# Altium PCB USBtoUART.PcbDoc
Units mm, origin at the board's own origin, x right, y up, seen from the top; angles counter-clockwise.
Board outline 131.06 x 50.89 mm, 2 copper layers (Top Layer, Bottom Layer), stack 1.6 mm thick; 43 components, 27 nets, 156 pads, 15 vias.
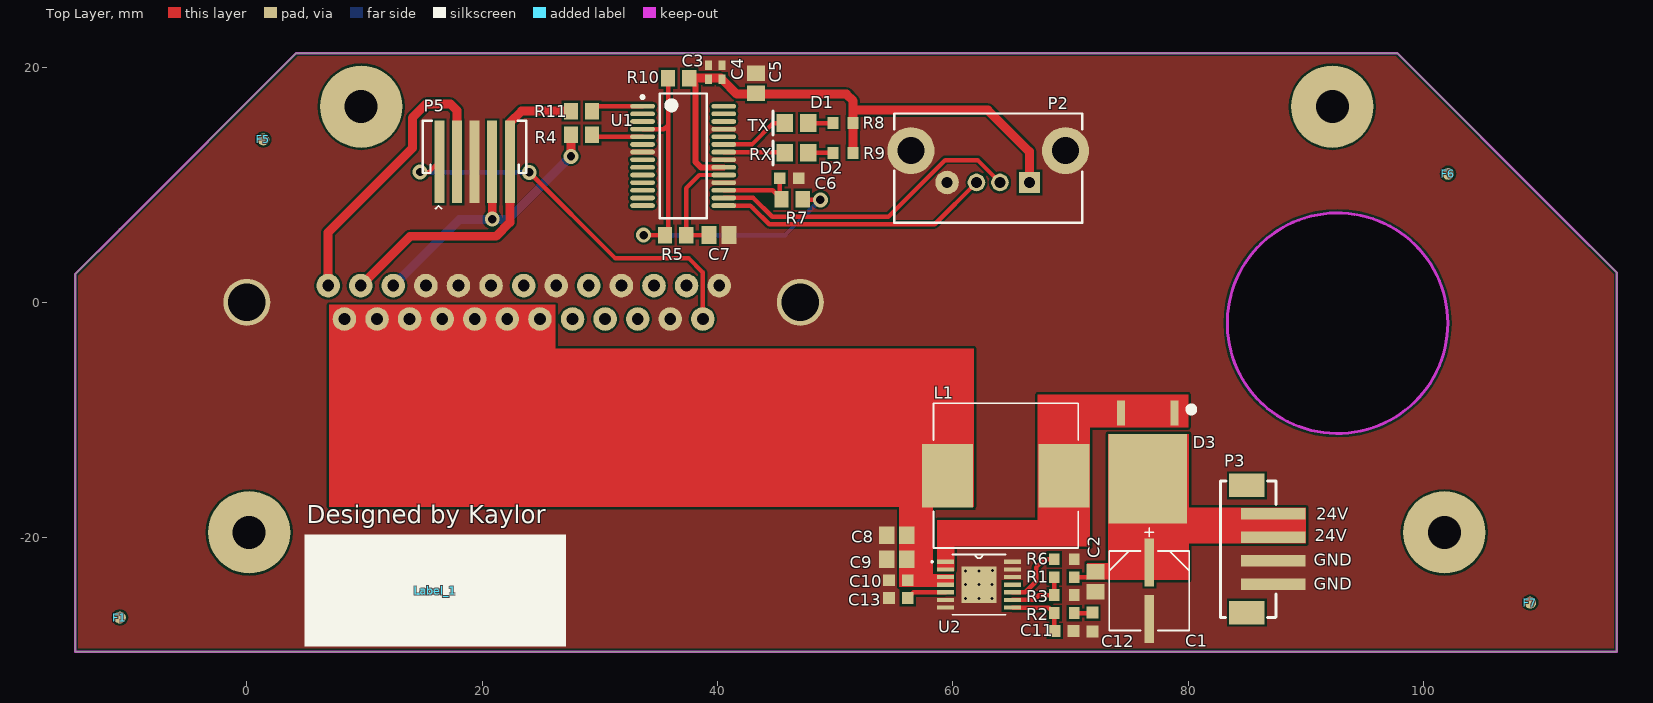
[diagram p0: Top Layer view]
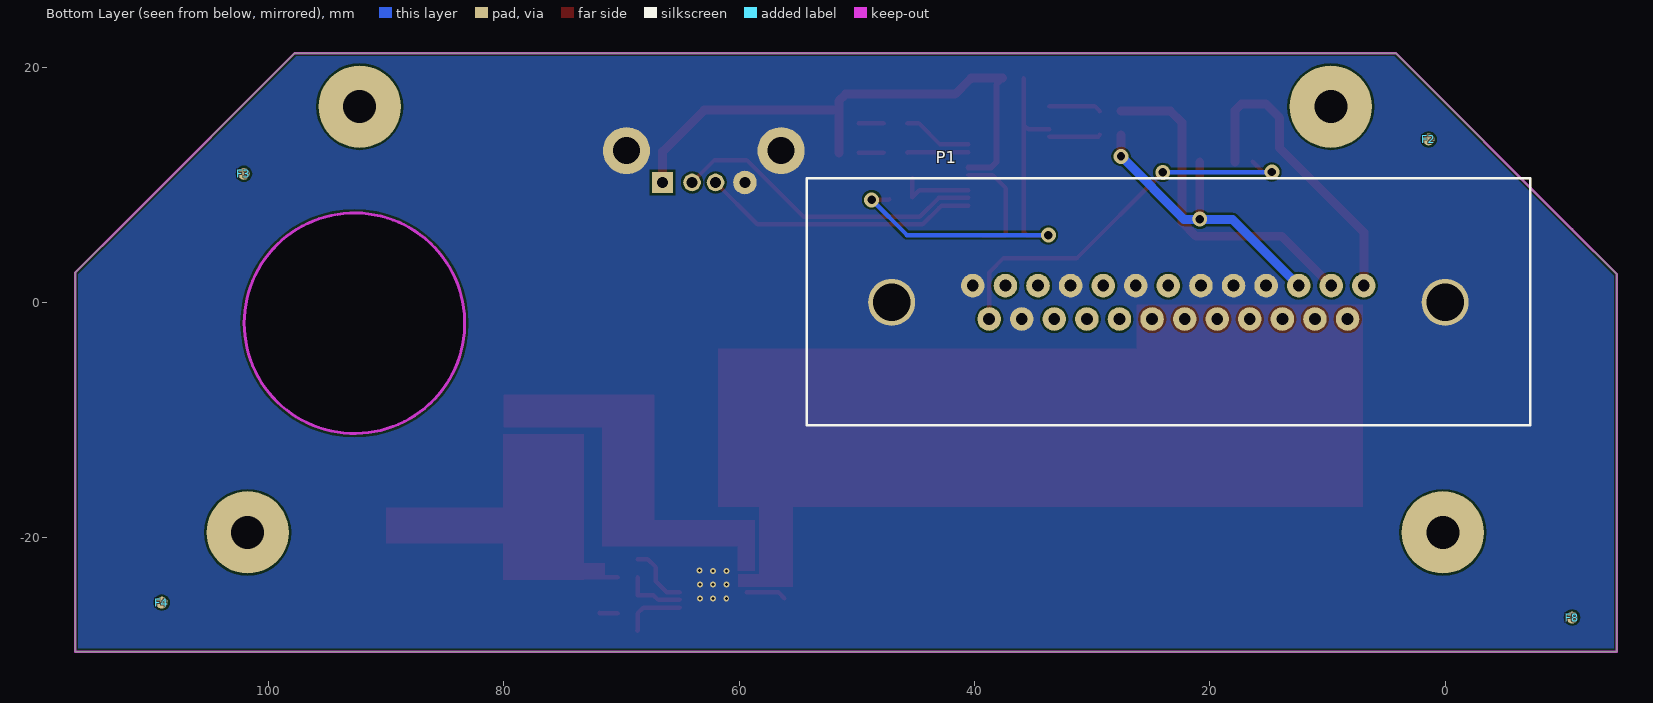
[diagram p1: Bottom Layer view, seen from below]
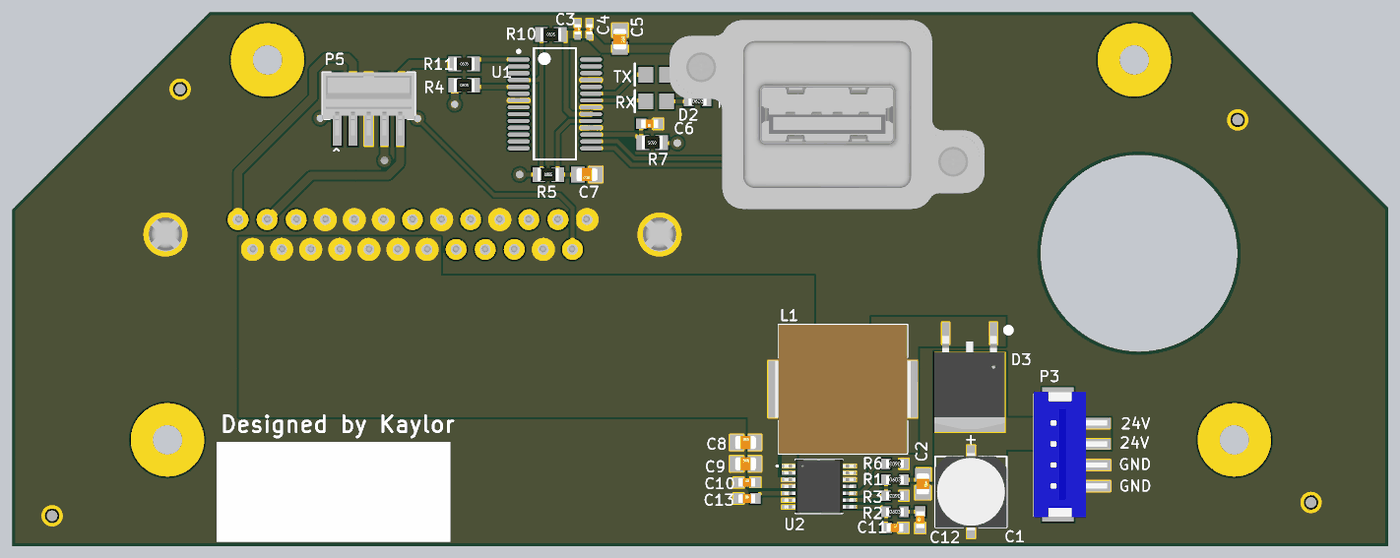
[diagram p2: 3D render of the assembled board from above, using the file's embedded part models]

## Layer stack, top to bottom
Top Solder: solder mask 0.0102, Solder Resist, Dk 3.5
Top Layer: signal copper 0.0356
Dielectric1: core 1.529, FR-4, Dk 4.8
Bottom Layer: signal copper 0.0356
Bottom Solder: solder mask 0.0102, Solder Resist, Dk 3.5

## Board outline
-14.605,-29.704 -14.605,2.388 -10.795,6.198 4.191,21.184 97.79,21.184 112.014,6.96 116.459,2.515 116.459,-29.704
cut-out: 83.335,-1.778 ccw(c92.71,-1.778) 92.71,-11.153 ccw(c92.71,-1.778) 102.085,-1.778 ccw(c92.71,-1.778) 92.71,7.597 ccw(c92.71,-1.778)

## Design rules (kind name [scope] priority, off if disabled: settings)
Clearance [All] p1: gap=0.178 ignorepadtopadclearanceinfootprint=FALSE except(0: Arc-Hole Track-Hole SMDPad-Hole THPad-Hole Via-Hole Fill-Hole Poly-Hole Region-Hole Text-Hole)
DiffPairsRouting [All] p1: maxlimit=0.254 minlimit=0.254 mostfreqgap=0.254 toplayer_minwidth=0.381 toplayer_maxwidth=0.381 toplayer_prefwidth=0.381 bottomlayer_minwidth=0.381 bottomlayer_maxwidth=0.381 bottomlayer_prefwidth=0.381 maxuncoupledlength=12.7
HoleSize [All] p1: absolutevalues=TRUE maxlimit=7.62 minlimit=0.025 maxpercent=80.000 minpercent=20.000
MinimumSolderMaskSliver [All] p1: minsoldermaskwidth=0.051
PolygonConnect [All] p1: connectstyle=Direct reliefconductorwidth=0.254 reliefentries=4 polygonreliefangle="90 Angle" airgapwidth=0.254
RoutingVias [All] p1: holewidth=0.711 width=1.27 viastyle="Through Hole" minholewidth=0.711 minwidth=1.27 maxholewidth=0.711 maxwidth=1.27
SilkToSilkClearance [All] p1: silktosilkclearance=0.051
SilkToSolderMaskClearance SilkscreenOverComponentPads [IsPad] p1: minsilkscreentomaskgap=0.051 clearancetoexposedcopper=TRUE
SolderMaskExpansion [All] p1: expansion=0.102
Width [All] p1: maxlimit=5 minlimit=0.254 preferedwidth=0.254 minimp=50.000000 maximp=50.000000 favimp=50.000000
25 further rules are at their usual default settings.

## Classes and differential pairs
differential pair USB: +USB_P -USB_N

## Components (designator, comment, footprint, x,y, rotation, side; value= is the part's Value field where it differs from the comment)
C1 "Cap EL" CAPSMT_62_F61 76.708,-24.511 r270 top value=22uF
C2 "Cap 0805" CAP0805N 72.136,-23.749 r270 top value=1uF
C3 "Cap 0402" CAP0402N 39.243,19.558 r270 top value=0.1uF
C4 "Cap 0402" CAP0402N 40.386,19.558 r270 top value=0.1uF
C5 "Cap 0805" CAP0805N 43.282,18.618 r270 top value=4.7uF
C6 "Cap 0603" CAP0603N 46.101,10.541 r180 top value=0.1uF
C7 "Cap 0805" CAP0805N 40.132,5.715 r180 top value=22uF
C8 "Cap 0805" CAP0805N 55.245,-19.812 r0 top value=6.8uF
C9 "Cap 0805" CAP0805N 55.245,-21.844 r0 top value=6.8uF
C10 "Cap 0603" CAP0603N 55.372,-23.622 r0 top value=0.1uF
C11 "Cap 0603" CAP0603N 69.469,-27.94 r0 top value=1.2nF
C12 "Cap 0603" CAP0603N 71.882,-27.178 r90 top value=0.068uF
C13 "Cap 0603" CAP0603N 55.372,-25.146 r0 top value=0.027uF
D1 "LED-AMBER 0805" "LED 2012M" 46.736,15.24 r180 top value=10mA@2V
D2 "LED-GREEN 0805" "LED 2012M" 46.736,12.7 r180 top value=10mA@2.03V
D3 "MBRD835LT4G" DPAK 76.581,-14.859 r180 top
F1 "Fiducial, .040\"" "FIDUCIAL, .040\"" -10.795,-26.797 r0 top
F2 "Fiducial, .040\"" "FIDUCIAL, .040\"" 1.397,13.843 r180 bottom
F3 "Fiducial, .040\"" "FIDUCIAL, .040\"" 102.108,10.922 r180 bottom
F4 "Fiducial, .040\"" "FIDUCIAL, .040\"" 109.093,-25.527 r180 bottom
F5 "Fiducial, .040\"" "FIDUCIAL, .040\"" 1.397,13.843 r0 top
F6 "Fiducial, .040\"" "FIDUCIAL, .040\"" 102.108,10.922 r0 top
F7 "Fiducial, .040\"" "FIDUCIAL, .040\"" 109.093,-25.527 r0 top
F8 "Fiducial, .040\"" "FIDUCIAL, .040\"" -10.795,-26.797 r180 bottom
L1 "Indc" CDRH127 64.516,-14.732 r0 top value=10uH
Label_1 "Label, 0.25\" x 0.75\"" "Label, 0.25\" x 0.75\"" 16.002,-24.511 r180 top
P1 "DSUB25_M_WDB951-PM25G" DSUB25_M_WDB951-PM25G 23.525,0 r180 bottom locked
P2 "CONN RCPT USB SGL STD W/O SHIELD" MUSB-A511 63.017,10.184 r180 top locked
P3 "B4B-PH-SM4-TB(LF)(SN)" B4B-PH-SM4-TB(LF)(SN) 87.249,-21.971 r270 top
P5 "87437-0543" 87437-0543 19.355,12.446 r0 top
R1 "Res 0603" RES0603N 69.469,-23.368 r0 top value=187K
R2 "Res 0603" RES0603N 69.469,-26.416 r0 top value=2.05k
R3 "Res 0603" RES0603N 69.469,-24.892 r180 top value=10k
R4 "Res 0805" RES0805N 28.448,14.224 r0 top value=0
R5 "Res 0805" RES0805N 36.449,5.715 r0 top value=1M
R6 "Res 0603" RES0603N 69.469,-21.844 r180 top value=82k
R7 "Res 0805" RES0805N 46.355,8.763 r180 top value=0
R8 "Res 0603" RES0603N 50.673,15.24 r0 top value=1.0k
R9 "Res 0603" RES0603N 50.673,12.7 r0 top value=1.0k
R10 "Res 0805" RES0805N 36.703,19.05 r0 top value=0
R11 "Res 0805" RES0805N 28.448,16.256 r0 top value=0
U1 "FT232RL-REEL" SSOP-28 37.084,12.446 r0 top
U2 "TPS55340PWPR" HTSSOP-14_EP 62.23,-24.003 r0 top value=Value

## Footprints (in the part's own frame and the unit in brackets; to place one, negate y for a bottom-side part, rotate by r counter-clockwise, add the part's x,y. Pads: shape width x height; smd on the part's side, far side on the other; paste and mask are expansions set on the pad)
87437-0543 [mm]
  rect 0.85x7 smd: 1(-3,-0.5) 2(-1.5,-0.5) 3(0,-0.5) 4(1.5,-0.5) 5(3,-0.5)
  silkscreen extent -4.4,-4.48 4.4,3, body extent -4.4,-3 4.4,3, height 5.77
B4B-PH-SM4-TB(LF)(SN) [mm]
  rect 2x3 smd: 0(-6.4,-2.25) 0(4.4,-2.25)
  rect 1x5.5 smd: 1(-4,0) 2(-2,0) 3(0,0) 4(2,0)
  silkscreen extent -6.8,-4.47 4.83,0.25, body extent -6.99,-4.57 4.96,2.43, height 6.62
CAP0402N [mm] "Chip Capacitor, Body 1.0x0.5mm, IPC Medium Density"
  rect 0.8x0.6 smd: 1(-0.6,0) 2(0.6,0)
  body extent -0.48,-0.3 0.52,0.3, height 0.2
CAP0603N [mm] "Chip Capacitor, Body 1.6x0.8mm, IPC Medium Density"
  rect 1x1 smd: 1(-0.8,0) 2(0.8,0)
  body extent -0.8,-0.4 0.8,0.4, height 0.3
CAP0805N [mm] "Chip Capacitor, Body 2.0x1.3mm, IPC Medium Density"
  rect 1.3x1.5 smd: 1(-0.85,0) 2(0.85,0)
  body extent -1,-0.62 1,0.63, height 0.77
CAPSMT_62_F61 [mil]
  rect 160x31 smd: 1(-94.5,0) 2(94.5,0)
  silkscreen extent -210,-134 133,134, body extent -146,-134 146,134, height 242
CDRH127 [mil]
  rect 170x213 smd: 1(-195,0) 2(195,0)
  silkscreen extent -242,-242 242,242, body extent -254,-242 254,242, height 327
DPAK [mm]
  rect 0.701x2.111 smd: 1(-2.28,-5.45) 3(2.28,-5.45)
  rect 6.7x7.605 smd: 2(0,0.152)
  silkscreen extent -3.95,-6 -3.45,-5.5, body extent -3.35,-5.2 3.35,3.65, height 2.4
DSUB25_M_WDB951-PM25G [mm]
  round 2 hole 1: 1(-16.62,1.42) 2(-13.85,1.42) 3(-11.08,1.42) 4(-8.31,1.42) 5(-5.54,1.42) 6(-2.77,1.42) 7(0,1.42) 8(2.77,1.42) 9(5.54,1.42) 10(8.31,1.42) 11(11.08,1.42) 12(13.85,1.42) 13(16.62,1.42) 14(-15.235,-1.42) 15(-12.465,-1.42) 16(-9.695,-1.42) 17(-6.925,-1.42) 18(-4.155,-1.42) 19(-1.385,-1.42) 20(1.385,-1.42) 21(4.155,-1.42) 22(6.925,-1.42) 23(9.695,-1.42) 24(12.465,-1.42) 25(15.235,-1.42)
  round 4 hole 3.2: 26(23.525,0) 27(-23.525,0)
  silkscreen extent -30.75,-10.45 30.75,10.55, body extent -30.75,-10.45 30.75,10.55, height 14.12
"FIDUCIAL, .040\"" [mil]
  round 40 smd paste+0 mask+20: 0(0,0)
HTSSOP-14_EP [mm]
  rect 1.422x0.356 smd mask+0.07: 1(-2.845,1.95) 2(-2.845,1.3) 3(-2.845,0.65) 4(-2.845,0) 5(-2.845,-0.65) 6(-2.845,-1.3) 7(-2.845,-1.95) 8(2.845,-1.95) 9(2.845,-1.3) 10(2.845,-0.65) 11(2.845,0) 12(2.845,0.65) 13(2.845,1.3) 14(2.845,1.95)
  rect 2.997x3.099 smd: 15(0,0)
  Top Layer lines w0.254: 1.111,1.181 1.137,1.181 1.253,1.181
  silkscreen extent -4.06,-2.55 2.25,2.55, body extent -3.3,-2.55 3.3,2.55, height 1.7
"Label, 0.25\" x 0.75\"" [mm]
  silkscreen extent -11.11,-4.76 11.11,4.76
"LED 2012M" [mm] "Chip Resistor, Body 2.0x1.3mm, IPC Low Density"
  rect 1.4x1.5 smd: 1(-1,0) 2(1,0)
  silkscreen extent 2.03,-1.02 2.03,1.02, body extent -1.07,-0.7 1.07,0.7, height 0.65
MUSB-A511 [mm]
  rect 1.8x1.8 hole 0.92: 1(-3.5,0)
  round 1.5 hole 0.92: 2(-1,0) 3(1,0)
  round 2 hole 0.92: 4(3.5,0)
  round 4 hole 2.3: 5(-6.57,-2.71) 6(6.57,-2.71)
  silkscreen extent -8,-5.86 8,3.42, body extent -15,-10.25 15,7.75, height 16.22
RES0603N [mm] "Chip Resistor, Body 1.6x0.8mm, IPC Medium Density"
  rect 0.9x1 smd: 1(-0.85,0) 2(0.85,0)
  body extent -0.85,-0.4 0.85,0.4, height 0.56
RES0805N [mm] "Chip Resistor, Body 2.0x1.3mm, IPC Medium Density"
  rect 1.2x1.4 smd: 1(-0.9,0) 2(0.9,0)
  body extent -1,-0.62 1,0.63, height 0.49
SSOP-28 [mm] "28-Pin SSOP 0.65 mm Pitch"
  oval 2.1x0.4 smd: 1(-3.45,4.225) 2(-3.45,3.575) 3(-3.45,2.925) 4(-3.45,2.275) 5(-3.45,1.625) 6(-3.45,0.975) 7(-3.45,0.325) 8(-3.45,-0.325) 9(-3.45,-0.975) 10(-3.45,-1.625) 11(-3.45,-2.275) 12(-3.45,-2.925) 13(-3.45,-3.575) 14(-3.45,-4.225) 15(3.45,-4.225) 16(3.45,-3.575) 17(3.45,-2.925) 18(3.45,-2.275) 19(3.45,-1.625) 20(3.45,-0.975) 21(3.45,-0.325) 22(3.45,0.325) 23(3.45,0.975) 24(3.45,1.625) 25(3.45,2.275) 26(3.45,2.925) 27(3.45,3.575) 28(3.45,4.225)
  silkscreen extent -3.57,-5.3 2,5.3, body extent -2.7,-5.3 2.7,5.3, height 2

## Part data
C1: library part "CAP ALUM POLY 22UF 20% 35V SMD", "22μF 35V Aluminum Polymer Capacitor Radial, Can - SMD 35 mOhm 5000 Hrs @ 105°C", Manufacturer="Panasonic Electronic Components", Manufacturer Part Number=35SVPF22M, Package=6.6mmx6.6mmx6mm, Supplier 1 Part Number=P16560CT-ND, Voltage - Rated=35V, Component Type=Standard, Mounting Type=smt, Part Number="CAP ALUM POLY 22UF 20% 35V SMD", Price Break=500, Supplier 1=Digikey, Unit Price-Supplier 1=1.36, Unit Price in Quantity=.6078, Vendor/Distributor=Digikey
C2: library part "CAP CER 1UF 50V 10% X5R 0805", "CAP CER 1UF 50V 10% X5R 0805", Manufacturer="Taiyo Yuden", Manufacturer Part Number=UMK212BJ105KG-T, Package=0805, Supplier 1 Part Number=587-2229-1-ND, Voltage - Rated=50V, Component Type=Standard, DatasheetDocument=http://www.yuden.co.jp/productdata/catalog/en/mlcc01_e.pdf, Mounting Type=smt, Part Number="CAP CER 1UF 50V 10% X5R 0805", Part URL-Supplier 1=http://www.digikey.com/product-detail/en/UMK212BJ105KG-T/587-2229-1-ND/2002927, Price Break=1000, Supplier 1=Digikey, Unit Price-Supplier 1=.16, Unit Price in Quantity=.0302, Vendor/Distributor=Digikey
C3 C4: library part "CAP CER 0.1UF 50V 10% X7R 0402", "CAP CER 0.1UF 50V 10% X7R 0402", Manufacturer="TDK Corporation", Manufacturer Part Number=C1005X7R1H104K, Package=0402, Supplier 1 Part Number=445-5932-1-ND, Component Type=Standard, DatasheetDocument=http://www.tdk.com/pdf/general_B11.pdf, Mounting Type=smt, Part Number="CAP CER 0.1UF 50V 10% X7R 0402", Part URL-Supplier 1=http://www.digikey.com/product-detail/en/C1005X7R1H104K/445-5932-1-ND/2443972?cur=USD, Price Break=1000, Supplier 1=Digikey, Unit Price-Supplier 1=.15, Unit Price in Quantity=.0275, Vendor/Distributor=Digikey
C5: library part "CAP CER 4.7UF 50V X7R 10% 0805", "CAP CER 4.7UF 50V X7R 10% 0805", Manufacturer="AVX Corporation", Manufacturer Part Number=0805YC475KAT2A, Package=0805, Supplier 1 Part Number=478-5722-1-ND, Component Type=Standard, Mounting Type=smt, Part Number="CAP CER 4.7UF 50V X7R 10% 0805", Part URL-Supplier 1=http://search.digikey.com/scripts/DkSearch/dksus.dll?Detail&name=478-5722-1-ND, Price Break=3000, Supplier 1=Digikey, Unit Price-Supplier 1=1.65, Unit Price in Quantity=.27, Vendor/Distributor=Digikey
C6 C10: library part "CAP CER 0.1UF 50V Y5V 0603", "0.1μF -20%, +80% 50V Ceramic Capacitor Y5V (F) 0603 (1608 Metric)", Manufacturer="AVX Corporation", Manufacturer Part Number=06035G104ZAT2A, Package=0603, Supplier 1 Part Number=478-3724-1-ND, Voltage - Rated=50V, Component Type=Standard, Mounting Type=smt, Part Number="CAP CER 0.1UF 50V Y5V 0603", Price Break=1000, Supplier 1=Digikey, Unit Price-Supplier 1=.11, Unit Price in Quantity=.0205, Vendor/Distributor=Digikey
C7: library part "CAP CER 22UF 10V X5R 0805", "CAP CER 22UF 10V X5R 0805", Manufacturer="Taiyo Yuden", Manufacturer Part Number=LMK212BJ226MG-T, Package=0805, Supplier 1 Part Number=587-1958-1-ND, Component Type=Standard, Mounting Type=smt, Part Number="CAP CER 22UF 10V X5R 0805", Part URL-Supplier 1=http://search.digikey.com/scripts/DkSearch/dksus.dll?Detail&name=587-1958-1-ND, Price Break=3000, Supplier 1=Digikey, Unit Price-Supplier 1=.96, Unit Price in Quantity=.192, Vendor/Distributor=Digikey
C8 C9: library part "CAP CER 6.8UF 35V X5R 0805", "6.8μF ±10% 35V Ceramic Capacitor X5R 0805 (2012 Metric)", Manufacturer="TDK Corporation", Manufacturer Part Number=C2012X5R1V685K125AC, Package=0805, Supplier 1 Part Number=445-14433-1-ND, Voltage - Rated=35V, Component Type=Standard, Mounting Type=smt, Part Number="CAP CER 6.8UF 35V X5R 0805", Price Break=1000, Supplier 1=Digikey, Unit Price-Supplier 1=.88, Unit Price in Quantity=.2566, Vendor/Distributor=Digikey
C11: library part "CAP CER 1200PF 50V C0G/NP0 0603", "1200pF ±5% 50V Ceramic Capacitor C0G, NP0 0603 (1608 Metric)", Manufacturer="Samsung Electro-Mechanics", Manufacturer Part Number=CL10C122JB8NNNC, Package=0603, Supplier 1 Part Number=1276-2184-1-ND, Voltage - Rated=50V, Component Type=Standard, Mounting Type=smt, Part Number="CAP CER 1200PF 50V C0G/NP0 0603", Price Break=1000, Supplier 1=Digikey, Unit Price-Supplier 1=.1, Unit Price in Quantity=.0138, Vendor/Distributor=Digikey
C12: library part "CAP CER 0.068UF 50V X7R 0603", "0.068μF ±5% 50V Ceramic Capacitor X7R 0603 (1608 Metric)", Manufacturer=KEMET, Manufacturer Part Number=C0603C683J5RACTU, Package=0603, Supplier 1 Part Number=399-9121-1-ND, Voltage - Rated=50V, Component Type=Standard, Mounting Type=smt, Part Number="CAP CER 0.068UF 50V X7R 0603", Price Break=1000, Supplier 1=Digikey, Unit Price-Supplier 1=.6, Unit Price in Quantity=.1579, Vendor/Distributor=Digikey
C13: library part "CAP CER 0.027UF 50V X7R 0603", "0.027μF ±5% 50V Ceramic Capacitor X7R 0603 (1608 Metric)", Manufacturer=KEMET, Manufacturer Part Number=C0603C273J5RAC7867, Package=0603, Supplier 1 Part Number=399-14512-1-ND, Voltage - Rated=50V, Component Type=Standard, Mounting Type=smt, Part Number="CAP CER 0.027UF 50V X7R 0603", Price Break=1000, Supplier 1=Digikey, Unit Price-Supplier 1=.42, Unit Price in Quantity=.1101, Vendor/Distributor=Digikey
D1: library part "LED AMBER S-J TYPE 0805", "LED AMBER S-J TYPE 0805", Manufacturer="Panasonic - SSG", Manufacturer Part Number=LNJ406K5YRX, Package=0805, Supplier 1 Part Number=P11492CT-ND, Component Type=Standard, Mounting Type=smt, Part Number="LED AMBER S-J TYPE 0805", Part URL-Supplier 1=http://search.digikey.com/scripts/DkSearch/dksus.dll?Detail&name=P11492CT-ND, Price Break=6000, Supplier 1=Digikey, Unit Price-Supplier 1=.45, Unit Price in Quantity=.097, Vendor/Distributor=Digikey
D2: library part "LED GREEN S-J TYPE 0805", "LED GREEN S-J TYPE 0805", Manufacturer="Panasonic - SSG", Manufacturer Part Number=LNJ306G5UUX, Package=0805, Supplier 1 Part Number=P11500CT-ND, Component Type=Standard, Mounting Type=smt, Part Number="LED GREEN S-J TYPE 0805", Price Break=3000, Supplier 1=Digikey, Unit Price-Supplier 1=.63, Unit Price in Quantity=.107, Vendor/Distributor=Digikey
D3: "DIODE SCHOTTKY 35V 8A DPAK", Manufacturer="ON Semiconductor", Package=DPAK, Supplier 1 Part Number=MBRD835LT4GOSCT-ND, Component Type=Standard, Manufacturer Part Number=MBRD835LT4G, Mounting Type=smt, PackageDescription=DPAK, Part Number=MBRD835LT4G, Price Break=1000, Supplier 1=Digikey, Unit Price-Supplier 1=.67, Unit Price in Quantity=.2852, Vendor/Distributor=Didikey
L1: library part "FIXED IND 10UH 6.7A 19.5 MOHM", "10μH Shielded Inductor 6.7A 19.5 mOhm Max Nonstandard", Manufacturer="Sumida America Components Inc.", Manufacturer Part Number=CDRH127/LDNP-100MC, Package=shielded, Supplier 1 Part Number=308-1330-1-ND, Component Type=Standard, Mounting Type=smt, Part Number="FIXED IND 10UH 6.7A 19.5 MOHM", Price Break=100, Supplier 1=Digikey, Unit Price-Supplier 1=1.53, Unit Price in Quantity=1.027, Vendor/Distributor=Digikey
P1: Manufacturer="MMT Machrone", Manufacturer Part Number=WDB951-PM25G, Package=header, Component Type=Standard, Mounting Type=thru-hole, Part Number=DSUB25_M_WDB951-PM25G, Pin Count=25
P2: library part MUSB-A511-00, Manufacturer="Amphenol Commercial Products", Package=header, Supplier 1 Part Number=MUSB-A511-00-ND, Component Type=Standard, Manufacturer Part Number=MUSB-A511-00, Mounting Type=thru-hole, Part Number=MUSB-A511-00, Pin Count=4, Price Break=1000, Supplier 1=Digikey, Unit Price-Supplier 1=9.91, Unit Price in Quantity=5.4952, Vendor/Distributor=Digikey
P3: library part "CONN HEADER PH TOP 4POS 2MM SMD", "CONN HEADER PH TOP 4POS 2MM SMD", Manufacturer="JST Sales America Inc.", Package=header, Supplier 1 Part Number=455-1736-1-ND, Component Type=Standard, Manufacturer Part Number=B4B-PH-SM4-TB(LF)(SN), Mounting Type=SMD, Part Number="CONN HEADER PH TOP 4POS 2MM SMD", Pin Count=4, Price Break=1000, Supplier 1=Digikey, Unit Price-Supplier 1=.8, Unit Price in Quantity=.3637, Vendor/Distributor=Digikey
P5: library part "PICO-SPOX, 5 POS, STRAIGHT", "PICO-SPOX, 5 POS, STRAIGHT", Manufacturer=Molex, Package=header, Supplier 1 Part Number=WM18584CT-ND, Component Type=Standard, Manufacturer Part Number=87437-0543, Mounting Type=smt, Part Number="PICO-SPOX, 5 POS, STRAIGHT", Pin Count=5, Price Break=1000, Supplier 1=Digikey, Unit Price-Supplier 1=1.41, Unit Price in Quantity=0.54, Vendor/Distributor=Digikey
R1: library part "RES SMD 187K OHM 1% 1/10W 0603", "187 kOhms ±1% 0.1W, 1/10W Chip Resistor 0603 (1608 Metric) Moisture Resistant Thick Film", Manufacturer=Yageo, Manufacturer Part Number=RC0603FR-07187KL, Package=0603, Supplier 1 Part Number=311-187KHRCT-ND, Component Type=Standard, Mounting Type=smt, Part Number="RES SMD 187K OHM 1% 1/10W 0603", Price Break=1000, Supplier 1=Digikey, Unit Price-Supplier 1=.1, Unit Price in Quantity=.0048, Vendor/Distributor=Digikey
R2: library part "RES SMD 2.05KOHM 0.1% 1/10W 0603", "2.05 kOhms ±0.1% 0.1W, 1/10W Chip Resistor 0603 (1608 Metric) Automotive AEC-Q200 Thin Film", Manufacturer="Panasonic Electronic Components", Manufacturer Part Number=ERA-3AEB2051V, Package=0603, Supplier 1 Part Number=P2.05KDBCT-ND, Component Type=Standard, Mounting Type=smt, Part Number="RES SMD 2.05KOHM 0.1% 1/10W 0603", Price Break=1000, Supplier 1=Digikey, Unit Price-Supplier 1=.35, Unit Price in Quantity=.0491, Vendor/Distributor=Digikey
R3: library part "RES 10K OHM 1/10W 1% 0603 SMD", "RES 10K OHM 1/10W 1% 0603 SMD", Manufacturer="Stackpole Electronics Inc", Manufacturer Part Number=RMCF0603FT10K0, Package=0603, Supplier 1 Part Number=RMCF0603FT10K0CT-ND, Component Type=Standard, Mounting Type=smt, Part Number="RES 10K OHM 1/10W 1% 0603 SMD", Part URL-Supplier 1=http://search.digikey.com/scripts/DkSearch/dksus.dll?Detail&name=RMCF0603FT10K0TR-ND, Price Break=5000, Supplier 1=Digikey, Unit Price-Supplier 1=.04, Unit Price in Quantity=.0023, Vendor/Distributor=Digikey
R4 R7 R10 R11: library part "RES 0.0 OHM 1/8W 0805 SMD", "RES 0.0 OHM 1/8W 0805 SMD", Manufacturer="Stackpole Electronics Inc", Manufacturer Part Number=RMCF0805ZT0R00, Package=0805, Supplier 1 Part Number=RMCF0805ZT0R00CT-ND, Component Type=Standard, Mounting Type=smt, Part Number="RES 0.0 OHM 1/8W 0805 SMD", Price Break=5000, Supplier 1=Digikey, Unit Price-Supplier 1=.03, Unit Price in Quantity=.0019, Vendor/Distributor=Digikey
R5: library part "RES 1M OHM 1/8W 1% 0805 SMD", "RES 1M OHM 1/8W 1% 0805 SMD", Manufacturer="Stackpole Electronics Inc", Manufacturer Part Number=RMCF0805FT1M00, Package=0805, Supplier 1 Part Number=RMCF0805FT1M00CT-ND, Component Type=Standard, Mounting Type=smt, Part Number="RES 1M OHM 1/8W 1% 0805 SMD", Part URL-Supplier 1=http://search.digikey.com/scripts/DkSearch/dksus.dll?Detail&name=RMCF0805FT1M00CT-ND, Price Break=5000, Supplier 1=Digikey, Unit Price-Supplier 1=.04, Unit Price in Quantity=.0027, Vendor/Distributor=Digikey
R6: library part "RES SMD 82K OHM 0.1% 1/10W 0603", "82 kOhms ±0.1% 0.1W, 1/10W Chip Resistor 0603 (1608 Metric) Thin Film", Manufacturer=Yageo, Manufacturer Part Number=RT0603BRD0782KL, Package=0603, Supplier 1 Part Number=YAG4597CT-ND, Component Type=Standard, Mounting Type=smt, Part Number="RES SMD 82K OHM 0.1% 1/10W 0603", Price Break=1000, Supplier 1=Digikey, Unit Price-Supplier 1=.39, Unit Price in Quantity=.0544, Vendor/Distributor=Digikey
R8 R9: library part "RES 1K OHM 1/10W 1% 0603 SMD", "RES 1K OHM 1/10W 1% 0603 SMD", Manufacturer="Stackpole Electronics Inc", Manufacturer Part Number=RMCF0603FT1K00, Package=0603, Supplier 1 Part Number=RMCF0603FT1K00CT-ND, Component Type=Standard, Mounting Type=smt, Part Number="RES 1K OHM 1/10W 1% 0603 SMD", Part URL-Supplier 1=http://search.digikey.com/scripts/DkSearch/dksus.dll?Detail&name=RMCF0603FT1K00TR-ND, Price Break=5000, Supplier 1=Digikey, Unit Price-Supplier 1=.04, Unit Price in Quantity=.0023, Vendor/Distributor=Digikey
U1: "IC USB FS SERIAL UART 28-SSOP", Manufacturer=FTDI, Package=28-SSOP, Supplier 1 Part Number=768-1007-1-ND, Component Type=Standard, Manufacturer Part Number=FT232RL-REEL, Mounting Type=smt, Part Number=FT232RL-REEL, Pin Count=28, Price Break=500, Supplier 1=Digikey, Unit Price-Supplier 1=4.50, Unit Price in Quantity=2.85, Vendor/Distributor=Digikey
U2: "Boost Switching Regulator IC Positive, Isolation Capable Adjustable 2.9V 1 Output 5.25A (Switch) 14-TSSOP (0.173\", 4.40mm Width) Exposed Pad", Manufacturer="Texas Instruments", Package=HTSSOP-14, Supplier 1 Part Number=296-39426-1-ND, Built_By=EMA_UL_Team, C="Copyright (C) 2015 Accelerated Designs. All rights reserved", Component Type=Standard, Manufacturer_Part_Number=TPS55340PWPR, Manufacturer Part Number=TPS55340PWPR, Mounting Type=smt, Part Number=TPS55340PWPR, Pin Count=15, Price Break=1000, RefDes=RefDes, Supplier 1=Digikey, Type=DEV, Unit Price-Supplier 1=3.36, Unit Price in Quantity=1.7765, Vendor="Texas Instruments", Vendor/Distributor=Digikey
F1 F2 F3 F4 F5 F6 F7 F8: Component Type="Standard (No BOM)", Part Number="Fiducial, .040\""
Label_1: Component Type="Standard (No BOM)", Part Number="Label, 0.25\" x 0.75\""

## Free pads (board coordinates)
  round 7 hole 2.8: 0(0.191,-19.562) 0(9.716,16.633) 0(92.266,16.633) 0(101.791,-19.562)

## Via types
v1: diameter 0.508, hole 0.254, Top Layer to Bottom Layer, 9 vias
v2: diameter 1.27, hole 0.711, Top Layer to Bottom Layer, tented both sides, 6 vias

## Nets (pads, with @x,y where several pads share a name; then routed paths per layer and width w, separated by ;. In a path a pad name is that pad's centre, name@x,y a point inside that pad or via, vN(x,y) a via of type N, cw(c..) or ccw(c..) an arc to the next point about the centre after c; other vN are vias at no path point)
24V: C1.1 C2.1 D3.2 P3.1 P3.2 R1.2 | length 2
  Top Layer w0.381: R1.2 71.667,-23.368 C2.1
+5V: C3.2 C4.2 C5.2 P2.1 R8.2 R9.2 R10.2 U1.20 | length 48.2
  Top Layer w0.508: R10.2 38.151,18.502 38.151,11.913 38.592,11.471 U1.20
  Top Layer w0.762: R10.2 40.294,19.05 C4.2 41.64,17.704 50.952,17.704 51.523,17.133 51.523,16.332 ; R9.2 R8.2 51.523,16.332 ; P2.1 66.517,12.807 62.992,16.332 51.523,16.332
GND: C1.2 C2.2 C3.1 C4.1 C5.1 C6.1 C7.1 C8.1 C9.1 C10.1 C11.2 C12.1 C13.1 P1.1 P1.4 P1.6 P1.8 P1.9 P1.10 P1.15 P1.26 P1.27 P2.4 P2.5 P2.6 P3.3 P3.4 P5.3 R3.1 R6.1 U1.7 U1.18 U1.21 U1.25 U2.6 U2.7 U2.12 U2.13 U2.14 U2.15
  other v1: 61.106,-25.184 62.23,-25.184 63.354,-25.197 61.093,-24.003 62.23,-24.003 63.341,-24.003 61.093,-22.822 62.23,-22.822 63.367,-22.796
ICSP_3.3V: P1.13 P5.2 | length 26.1
  Top Layer w0.762: P1.13 6.905,5.94 14.072,13.106 14.072,15.672 15.265,16.866 17.297,16.866 17.855,16.308 P5.2
M\C\L\R\: P1.14 P5.1 | length 33.5
  Top Layer w0.381: v2(14.732,11.074) 15.483,11.074 P5.1 ; v2(24.003,11.049) 31.293,3.759 37.541,3.759 38.76,2.54 P1.14
  Bottom Layer w0.381: v2(14.732,11.074) 14.757,11.049 v2(24.003,11.049)
NC1: U1.8
NC2: U1.24
NetC6_2: C6.2 R7.2 U1.17 | length 6.6
  Top Layer w0.381: U1.17 44.697,9.521 45.301,8.917 C6.2
NetC7_2: C7.2 R5.2 U1.19 | length 9.6
  Top Layer w0.381: C7.2 R5.2 37.349,9.714 38.456,10.821 U1.19
NetC11_1: C11.1 R2.1 U2.8 | length 5.3
  Top Layer w0.381: U2.8 68.156,-25.953 R2.1 68.619,-27.89 C11.1
NetC12_2: C12.2 R2.2 | length 1.6
  Top Layer w0.381: R2.2 71.844,-26.416 C12.2
NetC13_2: C13.2 U2.5 | length 3.4
  Top Layer w0.381: C13.2 56.665,-24.653 U2.5
NetD1_1: D1.1 R8.1 | length 2.1
  Top Layer w0.381: D1.1 R8.1
NetD1_2: D1.2 U1.23 | length 6
  Top Layer w0.381: U1.23 42.936,13.421 44.755,15.24 D1.2
NetD2_1: D2.1 R9.1 | length 2.1
  Top Layer w0.381: D2.1 R9.1
NetD2_2: D2.2 U1.22 | length 5.2
  Top Layer w0.381: U1.22 45.665,12.771 D2.2
NetD3_1: D3.1 D3.3 L1.2 U2.1 U2.2
NetR1_1: R1.1 R3.2 U2.9 | length 5.2
  Top Layer w0.381: U2.9 66.899,-25.303 67.31,-24.892 R3.2 R1.1
NetR6_2: R6.2 U2.10 | length 5.4
  Top Layer w0.381: U2.10 66.177,-24.653 67.107,-23.724 67.107,-22.504 67.767,-21.844 R6.2
PGEC: P1.12 P5.5 R11.1 | length 29
  Top Layer w0.762: P1.12 13.868,5.613 21.184,5.613 22.355,6.785 P5.5 22.355,15.268 23.343,16.256 R11.1
PGED: P1.11 P5.4 R4.1 | length 26.4
  Top Layer w0.762: v2(20.855,7.063) P5.4 ; v2(27.548,12.406) R4.1
  Bottom Layer w0.762: P1.11 18.061,7.036 22.178,7.036 v2(27.548,12.406)
RXD: R4.2 U1.5 | length 4.3
  Top Layer w0.381: R4.2 29.501,14.071 U1.5
TXD: R11.2 U1.1 | length 4.5
  Top Layer w0.381: R11.2 29.763,16.671 U1.1
USB_N: P2.2 U1.16 | length 26.9
  Top Layer w0.381: U1.16 43.047,8.871 44.653,7.264 54.534,7.264 59.36,12.09 62.111,12.09 P2.2
USB_P: P2.3 U1.15 | length 23.6
  Top Layer w0.381: U1.15 42.799,8.221 43.023,7.996 44.39,6.629 58.462,6.629 P2.3
V_BAT: C8.2 C9.2 C10.2 L1.1 P1.19 P1.20 P1.21 P1.22 P1.23 P1.24 P1.25 U2.3 U2.4
VCCIO: R5.1 R7.1 R10.1 U1.4 | length 35.3
  Top Layer w0.381: U1.4 35.447,14.721 35.803,15.077 ; v2(33.731,5.715) R5.1 35.803,5.969 35.803,15.077 ; R10.1 35.803,15.077 ; R7.1 47.306,8.712 v2(48.743,8.712)
  Bottom Layer w0.381: v2(33.731,5.715) 45.745,5.715 v2(48.743,8.712)
pads on no net: F1.0 F2.0 F3.0 F4.0 F5.0 F6.0 F7.0 F8.0 P1.2 P1.3 P1.5 P1.7 P1.16 P1.17 P1.18 P3.0 U1.2 U1.3 U1.6 U1.9 U1.10 U1.11 U1.12 U1.13 U1.14 U1.26 U1.27 U1.28 U2.11

## Polygon pours and split planes (outlines as drawn)
GND on Bottom Layer "GND_L02_P001" (solid, remove dead copper, pour order 1): -14.605,-29.704 -14.605,2.388 -10.795,6.198 4.191,21.184 97.79,21.184 112.014,6.96 116.459,2.515 116.459,-29.704
GND on Top Layer "GND_L01_P000" (solid, remove dead copper, pour order 0): -14.605,-29.704 -14.605,2.388 -10.795,6.198 4.191,21.184 97.79,21.184 112.014,6.96 116.459,2.515 116.459,-29.704

## Keep-outs
Keep-Out Layer:
  circle w0.254: c92.71,-1.778 r9.375
  pour cut-out: 83.335,-1.778 ccw(c92.71,-1.778) 92.71,-11.153 ccw(c92.71,-1.778) 102.085,-1.778 ccw(c92.71,-1.778) 92.71,7.597 ccw(c92.71,-1.778)
  lines w0.2: 97.79,21.184 4.191,21.184 -10.795,6.198 -14.605,2.388 -14.605,-29.704 116.459,-29.704 116.459,2.515 112.014,6.96 97.79,21.184 ; 97.79,21.184 97.79,21.184

## Other copper
Top Layer:
  rectangle net V_BAT: 55.677,-24.181 60.096,-23.114
  rectangle net V_BAT: 55.448,-24.181 58.318,-17.094
  rectangle net V_BAT: 6.985,-17.399 61.798,-3.912
  rectangle net V_BAT: 6.985,-3.912 26.238,-0.203
  rectangle net NetD3_1: 58.674,-22.86 60.147,-18.517
  rectangle net NetD3_1: 58.674,-20.777 71.679,-18.517
  rectangle net NetD3_1: 67.208,-20.777 71.679,-7.823
  rectangle net NetD3_1: 67.208,-10.643 80.035,-7.823
  rectangle net 24V: 71.425,-23.571 77.114,-22.149
  rectangle net 24V: 73.203,-23.622 80.086,-11.176
  rectangle net 24V: 76.632,-20.523 90.043,-17.45

## Silkscreen, mask and mechanical layers (free items; w line width, h text height)
Top Overlay:
  text "TX" at 42.57,14.554 h1.02
  text "RX" at 42.697,12.09 h1.02
  text "24V" at 90.881,-18.491 h1.02
  text "Designed by Kaylor" at 5.08,-18.796 h1.52
  text "24V" at 90.78,-20.32 h1.02
  text "GND" at 90.678,-22.377 h1.02
  text "GND" at 90.703,-24.435 h1.02
Mechanical 3:
  the board outline again, w0.2
Mechanical 12:
  lines w0.025: -210.678,-204.897 348.122,-204.897 ; -210.678,-204.897 -210.678,-202.357 ; -210.678,-204.897 348.122,-204.897 ; -210.678,-204.897 -210.678,-202.357 ; -210.678,-202.357 -210.678,226.903 ; -210.678,-202.357 -210.678,226.903 ; -210.678,226.903 348.122,226.903 ; -210.678,226.903 348.122,226.903 ; -197.978,-187.117 -197.978,209.123 ; -197.978,-187.117 -182.738,-187.117 ; -197.978,-187.117 -197.978,209.123 ; -197.978,-187.117 -182.738,-187.117 ; -197.978,209.123 -185.278,209.123 -197.978,209.123 ; -182.738,-187.117 203.342,-187.117 ; -182.738,-187.117 203.342,-187.117 ; -142.098,209.123 332.882,209.123 ; -142.098,209.123 -190.358,209.123 -142.098,209.123 ; -142.098,209.123 332.882,209.123 ; 144.922,-166.797 144.922,-187.117 144.922,-166.797 ; 144.922,-166.797 208.422,-166.797 ; 144.922,-166.797 208.422,-166.797 ; 203.342,-187.117 335.422,-187.117 ; 203.342,-187.117 335.422,-187.117 ; 205.882,211.663 205.882,221.823 205.882,211.663 ; 205.882,211.663 205.882,209.123 205.882,211.663 ; 208.422,-166.797 335.422,-166.797 208.422,-166.797 ; 208.422,-121.077 335.422,-121.077 208.422,-121.077 ; 208.422,-121.077 208.422,-187.117 208.422,-121.077 ; 332.882,209.123 335.422,209.123 ; 332.882,209.123 335.422,209.123 ; 335.422,-187.117 335.422,209.123 ; 335.422,-187.117 335.422,209.123 ; 348.122,-204.897 348.122,226.903 ; 348.122,-204.897 348.122,226.903 ; -205.598,-95.677 -197.978,-95.677 -205.598,-95.677 ; -205.598,13.543 -197.978,13.543 -205.598,13.543 ; -205.598,122.763 -197.978,122.763 -205.598,122.763 ; -73.518,-199.817 -73.518,-187.117 -73.518,-199.817 ; -73.518,209.123 -73.518,221.823 -73.518,209.123 ; 63.642,-199.817 63.642,-187.117 63.642,-199.817 ; 63.642,209.123 63.642,221.823 63.642,209.123 ; 144.922,-174.417 208.422,-174.417 144.922,-174.417 ; 183.022,-187.117 183.022,-166.797 183.022,-187.117 ; 205.882,-199.817 205.882,-187.117 205.882,-199.817 ; 208.422,-179.497 335.422,-179.497 208.422,-179.497 ; 208.422,-141.397 335.422,-141.397 208.422,-141.397 ; 221.122,-179.497 221.122,-166.797 221.122,-179.497 ; 231.282,-187.117 231.282,-179.497 231.282,-187.117 ; 246.522,-179.497 246.522,-166.797 246.522,-179.497 ; 279.542,-199.817 279.542,-192.197 279.542,-199.817 ; 282.082,214.203 282.082,221.823 282.082,214.203 ; 289.702,-187.117 289.702,-179.497 289.702,-187.117 ; 335.422,-95.677 343.042,-95.677 335.422,-95.677 ; 335.422,13.543 343.042,13.543 335.422,13.543 ; 335.422,122.763 343.042,122.763 335.422,122.763
  text "4" at -144.638,214.203 h6.35
  text "4" at -144.638,214.203 h6.35
  text "3" at -7.478,214.203 h6.35
  text "3" at -7.478,214.203 h6.35
  text "2" at 134.762,214.203 h6.35
  text "2" at 134.762,214.203 h6.35
  text "D" at -205.598,168.483 h6.35
  text "D" at -205.598,168.483 h6.35
  text "D" at 340.502,168.483 h6.35
  text "D" at 340.502,168.483 h6.35
  text "C" at 337.962,54.183 h6.35
  text "C" at 337.962,54.183 h6.35
  text "C" at -205.598,46.563 h6.35
  text "C" at -205.598,46.563 h6.35
  text "B" at 340.502,-49.957 h6.35
  text "B" at 340.502,-49.957 h6.35
  text "B" at -205.598,-55.037 h6.35
  text "B" at -205.598,-55.037 h6.35
  text "ROBOTEX." at 246.522,-128.697 h3.96
  text "ROBOT TECHNOLOGY SOLUTIONS" at 229.705,-136.003 h2.54
  text "A" at 340.502,-143.937 h6.35
  text "A" at 340.502,-143.937 h6.35
  text "A" at -205.598,-146.477 h6.35
  text "A" at -205.598,-146.477 h6.35
  text "SIZE" at 210.962,-170.607 h1.91
  text "FSCM NO" at 223.662,-170.607 h1.91
  text "DWG NO" at 249.062,-170.607 h1.91
  text "SIGNATURE" at 147.462,-171.877 h1.91
  text "DATE" at 185.562,-171.877 h1.91
  text "101-50090-0A0" at 275.277,-174.944 h2.54
  text "C" at 213.502,-176.957 h3.96
  text "CONFIDENTIAL AND PROPRIETARY" at -189.465,-181.704 h3.96
  text "REV" at 233.822,-182.037 h1.91
  text "REV" at 233.822,-182.037 h1.91
  text "TJP" at 159.002,-182.069 h1.91
  text "5/8/2013" at 190.252,-182.144 h1.91
  text "SCALE" at 209.692,-183.307 h1.91
  text "SHEET" at 292.242,-183.307 h1.91
  text "00" at 249.062,-184.577 h2.54
  text "4" at -144.638,-199.817 h6.35
  text "4" at -144.638,-199.817 h6.35
  text "3" at -7.478,-199.817 h6.35
  text "3" at -7.478,-199.817 h6.35
  text "2" at 142.382,-199.817 h6.35
  text "2" at 142.382,-199.817 h6.35
Mechanical 16:
  lines w0.66: 65.098,121.446 221.668,121.446 ; 65.098,133.666 221.668,133.666 ; 63.5,74.676 ccw(c67.437,74.676) 67.437,70.739 219.329,70.739 ccw(c219.329,74.676) 223.266,74.676 223.266,142.367 ccw(c219.329,142.367) 219.329,146.304 67.437,146.304 ccw(c67.437,142.367) 63.5,142.367 63.5,74.676
  text "Layer Stack Up Detail for: 101-50090.PcbDoc" at 65.098,137.47 h3.56
  text "Layer" at 65.098,129.107 h2.82
  text "Gerber" at 142.714,129.107 h2.82
  text "Copper" at 182.389,129.107 h2.82
  text "Name" at 65.098,123.468 h2.82
  text "Document" at 142.714,123.468 h2.82
  text "Thickness" at 182.389,123.468 h2.82
  text "Top Solder Mask" at 65.098,112.623 h3.94
  text "(.GTS)" at 142.714,112.623 h3.94
  text "Top Layer" at 65.098,101.298 h3.94
  text "(.GTL)" at 142.714,101.298 h3.94
  text "1.4mil" at 182.389,101.298 h3.94
  text "Bottom Layer" at 65.098,89.974 h3.94
  text "(.GBL)" at 142.714,89.974 h3.94
  text "1.4mil" at 182.389,89.974 h3.94
  text "Bottom Solder Mask" at 65.098,78.65 h3.94
  text "(.GBS)" at 142.714,78.65 h3.94
Drill Drawing:
  text ".legend" at 202.438,-33.274 h1.02
Mechanical 19:
  lines w0.025: -186.148,103.977 -186.148,108.6 -178.934,108.6 -178.934,103.977 -186.148,103.977
  text "FABRICATION NOTES:" at -183.506,192.014 h2.03
  text "1.  PRODUCIBILITY STUDY" at -183.506,186.934 h2.03
  text "IT IS THE RESPONSIBILITY OF THE SUPPLIER TO CONDUCT" at -177.156,184.394 h2.03
  text "A THOROUGH REVIEW OF THIS ARTWORK PACKAGE TO ENSURE" at -177.156,181.854 h2.03
  text "THAT IT CAN BE MANUFACTURED TO SPECIFICATION." at -177.156,179.314 h2.03
  text "ROBOTEX MUST BE NOTIFIED IN ADVANCE OF ANY CHANGES" at -177.156,176.774 h2.03
  text "OR CORRECTIONS MADE OR RECOMMENDATIONS." at -177.156,174.234 h2.03
  text "2.  MATERIAL:" at -183.506,169.154 h2.03
  text "MATERIAL TYPE: NEMA GRADE FR-4" at -177.156,166.614 h2.03
  text "# OF LAYERS: 2" at -177.156,164.074 h2.03
  text "COPPER WEIGHT: EXTERNAL LAYERS 1.0 OZ FINISHED" at -177.156,161.534 h2.03
  text "OVER-ALL FINISHED BOARD THICKNESS: 0.063 IN. +/- 10%" at -177.419,158.623 h2.03
  text "3.  PLATING" at -183.506,151.374 h2.03
  text "ALL HOLES AND CONDUCTIVE SURFACES SHALL" at -178.426,148.834 h2.03
  text "HAVE A MIN. COPPER PLATING OF 0.0014 IN." at -178.426,146.294 h2.03
  text "4.  SOLDERMASK:" at -183.506,141.214 h2.03
  text "SOLDERMASK OVER BARE COPPER" at -178.426,138.674 h2.03
  text "LIQUID PHOTOIMAGEABLE GREEN  IN COLOR" at -178.426,136.134 h2.03
  text "5.  FINISH" at -183.506,131.054 h2.03
  text "ENIG" at -178.006,128.053 h2.03
  text "6.  SILKSCREEN" at -183.506,120.894 h2.03
  text "TO BE APPLIED TO BOTH SIDES" at -178.426,118.354 h2.03
  text "TO BE TRIMMED BACK FROM ANY EXPOSED COPPER" at -178.426,115.814 h2.03
  text "NON-CONDUCTIVE EPOXY INK, WHITE IN COLOR" at -178.299,112.893 h2.03
  text "7.  MARKINGS:" at -183.506,105.654 h2.03
  text "VENDOR LOGO TO BE" at -177.156,103.114 h2.03
  text "PLACED AS SHOWN ON DRAWING" at -177.156,100.574 h2.03
  text "8.  ANNULAR RING:" at -183.506,95.494 h2.03
  text "0.001 IN. MINIMUM ON EXTERNAL LAYERS" at -177.156,92.954 h2.03
  text "0.001 IN. MINIMUM ON INTERNAL LAYERS" at -177.156,90.414 h2.03
  text "9.  TOLERANCES:" at -183.506,85.334 h2.03
  text "FINISHED HOLE TOLERANCE AS SPECIFIED" at -177.156,82.794 h2.03
  text "ON THE DRILL TABLE, OR +/-0.003 IN. IF NOT" at -177.156,80.254 h2.03
  text "10.  BOW AND TWIST:" at -183.506,70.094 h2.03
  text "0.75% MAXIMUM" at -177.156,67.554 h2.03
  text "11.  ELECTRICAL TEST" at -183.506,62.474 h2.03
  text "ALL BOARDS SHALL BE 100% ELECTRICALLY TESTED FOR" at -177.156,59.934 h2.03
  text "OPENS/SHORTS AT 10V." at -177.156,57.394 h2.03
  text "12.  INSPECTION" at -183.506,52.314 h2.03
  text "AUTOMATIC OPTICAL INSPECTION OF ALL LAYERS REQUIRED" at -177.156,49.774 h2.03
  text "13.  ALL VIAS TO BE TENTED" at -183.856,45.153 h2.03